# Altium PCB XC Driver Board.PcbDoc (part 1 of 2)
Units mm, origin at the board's own origin, x right, y up, seen from the top; angles counter-clockwise.
Board outline 294 x 74 mm, 2 copper layers (Top Layer, Bottom Layer), stack 1.571 mm thick; 103 components, 217 nets, 715 pads, 84 vias.
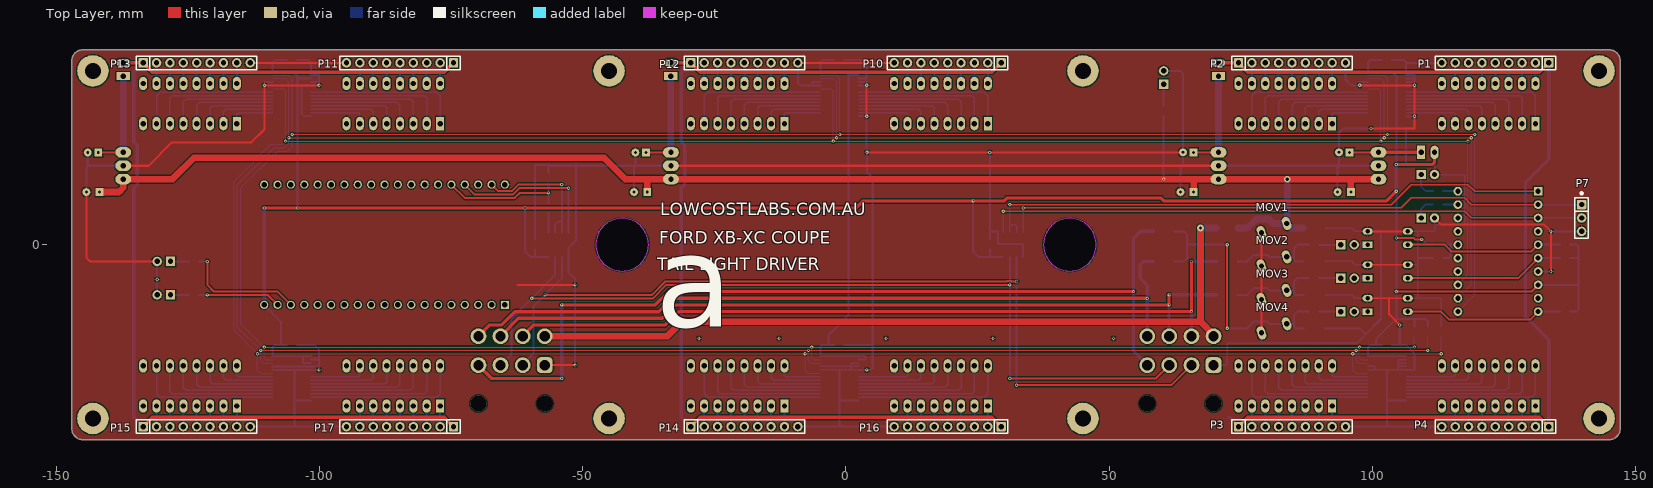
[diagram p0: Top Layer view]
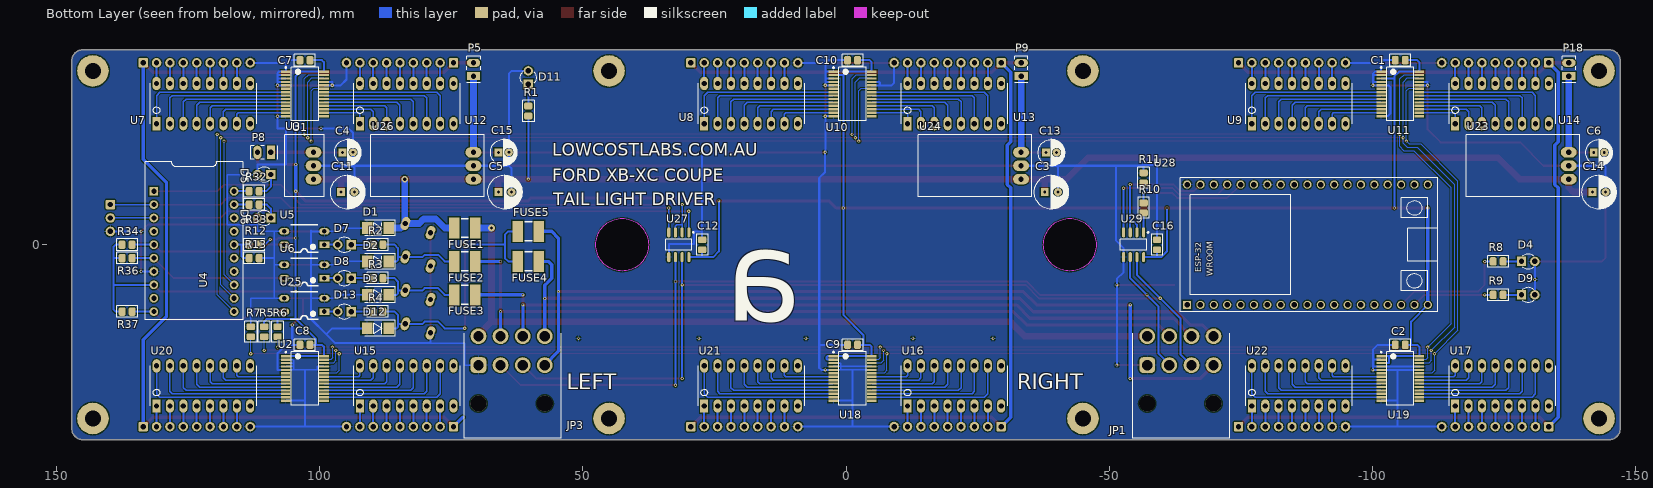
[diagram p1: Bottom Layer view, seen from below]
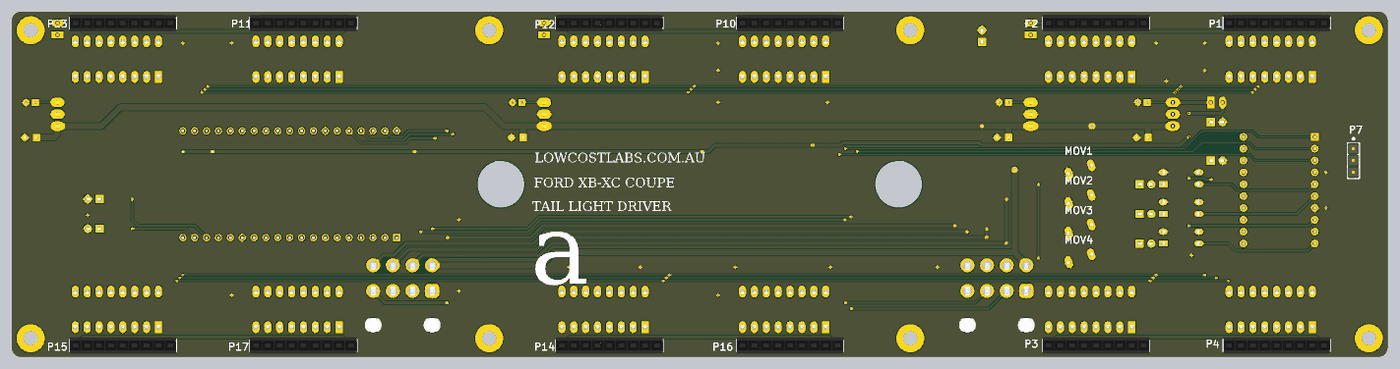
[diagram p3: 3D render of the assembled board from above, using the file's embedded part models]
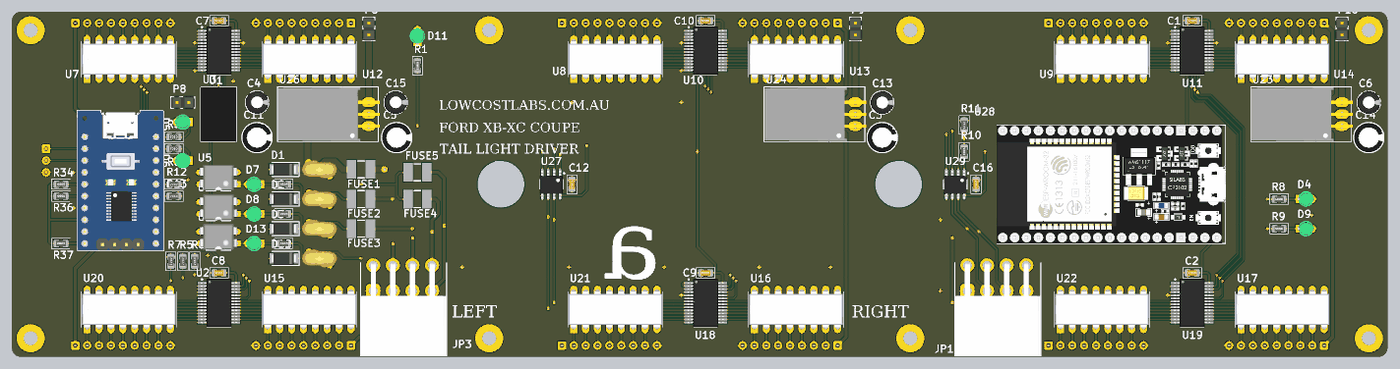
[diagram p4: 3D render of the assembled board from below, using the file's embedded part models]

## Layer stack, top to bottom
Top Solder: solder mask 0.0102, Solder Resist, Dk 3.5
Top Layer: signal copper 0.0356
Dielectric 1: dielectric 1.5, FR-4, Dk 4.8
Bottom Layer: signal copper 0.0356
Bottom Solder: solder mask 0.0102, Solder Resist, Dk 3.5

## Board outline
-147,-35 -147,35 cw(c-145,35) -145,37 145,37 cw(c145,35) 147,35 147,-35 cw(c145,-35) 145,-37 -145,-37 cw(c-145,-35)
cut-out: -47.5,0 ccw(c-42.5,0) -42.5,-5 ccw(c-42.5,0) -37.5,0 ccw(c-42.5,0) -42.5,5 ccw(c-42.5,0)
cut-out: 37.5,0 ccw(c42.5,0) 42.5,-5 ccw(c42.5,0) 47.5,0 ccw(c42.5,0) 42.5,5 ccw(c42.5,0)

## Design rules (kind name [scope] priority, off if disabled: settings)
Clearance [All] p1: gap=0.203
PolygonConnect [All] p1: connectstyle=Relief reliefconductorwidth=0.254 reliefentries=4 polygonreliefangle="90 Angle" airgapwidth=0.254
RoutingVias [All] p1: holewidth=0.711 width=1.27 viastyle="Through Hole" minholewidth=0.305 minwidth=0.61 maxholewidth=0.711 maxwidth=1.27
SolderMaskExpansion [All] p1: expansion=0.102
Width [All] p1: maxlimit=2.54 minlimit=0.203 preferedwidth=0.254
30 further rules are at their usual default settings.

## Classes and differential pairs
component class ESP32: C16 D4 D9 R8 R9 R10 R11 U28 U29
component class "XC Tail Light Driver": C12 D5 D6 P7 R5 R6 R7 R12 R13 R32 R33 U4 U27
component class "PWM Drivers": C1 C2 C7 C8 C9 C10 P1 P2 P3 P4 P10 P11 P12 P13 P14 P15 P16 P17 U1 U2 U7 U8 U9 U10 U11 U12 U13 U14 U15 U16 U17 U18 U19 U20 U21 U22
component class Signals: D1 D2 D3 D7 D8 D11 D12 D13 D? FUSE1 FUSE2 FUSE3 FUSE4 FUSE5 FUSE? JP1 JP3 MOV1 MOV2 MOV3 MOV4 P? Q? R1 R2 R3 R4 R34 R36 R37 U5 U6 U25
component class "Power Supplies": C3 C4 C5 C6 C11 C13 C14 C15 P5 P8 P9 P18 U3 U23 U24 U26

## Components (designator, comment, footprint, x,y, rotation, side; value= is the part's Value field where it differs from the comment)
C1 "100nF" "CAPACITOR 0805" -105.25,35.038 r0 bottom
C2 "100nF" "CAPACITOR 0805" -105.25,-19 r0 bottom
C3 "10uF" "CAPACITOR 6.3x7" -39,10 r180 bottom
C4 "22uF" "CAPACITOR 5x11" 94.615,17.54 r180 bottom
C5 "10uF" "CAPACITOR 6.3x7" 64.77,10 r180 bottom
C6 "22uF" "CAPACITOR 5x11" -143,17.5 r180 bottom
C7 "100nF" "CAPACITOR 0805" 102.75,35.038 r0 bottom
C8 "100nF" "CAPACITOR 0805" 102.75,-19 r0 bottom
C9 "100nF" "CAPACITOR 0805" -1.25,-19 r0 bottom
C10 "100nF" "CAPACITOR 0805" -1.25,35.038 r0 bottom
C11 "10uF" "CAPACITOR 6.3x7" 94.615,10 r180 bottom
C12 "100nF" "CAPACITOR 0805" 27.305,0 r90 bottom
C13 "22uF" "CAPACITOR 5x11" -39,17.5 r180 bottom
C14 "10uF" "CAPACITOR 6.3x7" -143,10 r180 bottom
C15 "22uF" "CAPACITOR 5x11" 65,17.54 r180 bottom
C16 "100nF" "CAPACITOR 0805" -59.055,0 r90 bottom
D1 "S1M" DO-214AC 88.9,3.175 r180 bottom
D2 "S1M" DO-214AC 88.9,-3.175 r180 bottom
D3 "S1M" DO-214AC 88.9,-9.525 r180 bottom
D4 "LED (BLUE)" "LED(3D) 3MM VERTICAL (GREEN)" -129.54,-3.175 r0 bottom
D5 "LED (BLUE)" "LED(3D) 3MM VERTICAL (GREEN)" 110.49,13.335 r180 bottom
D6 "LED (BLUE)" "LED(3D) 3MM VERTICAL (GREEN)" 110.49,5.08 r180 bottom
D7 "LED (RED)" "LED(3D) 3MM VERTICAL (GREEN)" 95.25,0 r180 bottom
D8 "LED (BLUE)" "LED(3D) 3MM VERTICAL (GREEN)" 95.25,-6.35 r180 bottom
D9 "LED (BLUE)" "LED(3D) 3MM VERTICAL (GREEN)" -129.54,-9.525 r0 bottom
D11 "LED (BLUE)" "LED(3D) 3MM VERTICAL (GREEN)" 60.325,31.75 r270 bottom
D12 "S1M" DO-214AC 88.9,-15.875 r180 bottom
D13 "LED (BLUE)" "LED(3D) 3MM VERTICAL (GREEN)" 95.25,-12.7 r180 bottom
FUSE1 "3A" "miniSMD Polyswitch" 72.39,3.175 r0 bottom
FUSE2 "1A" "miniSMD Polyswitch" 72.39,-3.175 r0 bottom
FUSE3 "1A" "miniSMD Polyswitch" 72.39,-9.525 r0 bottom
FUSE4 "1A" "miniSMD Polyswitch" 60.325,-3.175 r0 bottom
FUSE5 "1A" "miniSMD Polyswitch" 60.325,2.54 r0 bottom
JP1 "PLUG-RIGHT" "Molex 26013144 RA 8P Socket" -63.5,-22.86 r0 bottom
JP3 "PLUG-LEFT" "Molex 26013144 RA 8P Socket" 63.5,-22.86 r0 bottom
MOV1 "FTR FTR07D270K 22V" "MOV - 10mm" 81.28,3.175 r200 top
MOV2 "FTR FTR07D270K 22V" "MOV - 10mm" 81.28,-3.175 r200 top
MOV3 "FTR FTR07D270K 22V" "MOV - 10mm" 81.28,-9.525 r200 top
MOV4 "FTR FTR07D270K 22V" "MOV - 10mm" 81.28,-15.875 r200 top
P1 "Header 9" "SOCKET 1x9" 123.304,34.544 r180 top
P2 "Header 9" "SOCKET 1x9" 84.696,34.544 r0 top
P3 "Header 9" "SOCKET 1x9" 84.696,-34.544 r0 top
P4 "Header 9" "SOCKET 1x9" 123.304,-34.544 r180 top
P5 "POWER" "HEADER 1x2" 70.726,33.274 r90 bottom
P7 "DEBUG" "Pin Header 1x3 TH Pitch 2.54mm" 139.7,7.62 r270 top
P8 "POWER" "HEADER 1x2" 110.49,17.54 r0 bottom
P9 "POWER" "HEADER 1x2" -33.274,33.274 r90 bottom
P10 "Header 9" "SOCKET 1x9" 19.304,34.544 r180 top
P11 "Header 9" "SOCKET 1x9" -84.696,34.544 r180 top
P12 "Header 9" "SOCKET 1x9" -19.304,34.544 r0 top
P13 "Header 9" "SOCKET 1x9" -123.304,34.544 r0 top
P14 "Header 9" "SOCKET 1x9" -19.304,-34.544 r0 top
P15 "Header 9" "SOCKET 1x9" -123.304,-34.544 r0 top
P16 "Header 9" "SOCKET 1x9" 19.304,-34.544 r180 top
P17 "Header 9" "SOCKET 1x9" -84.696,-34.544 r180 top
P18 "POWER" "HEADER 1x2" -137.274,33.274 r90 bottom
R1 "1k" "RESISTOR 0805" 60.325,25.4 r270 bottom
R2 "1k" "RESISTOR 0805" 88.9,0 r180 bottom
R3 "1k" "RESISTOR 0805" 88.9,-6.35 r180 bottom
R4 "1k" "RESISTOR 0805" 88.9,-12.7 r180 bottom
R5 "10k" "RESISTOR 0805" 110.49,-16.51 r270 bottom
R6 "10k" "RESISTOR 0805" 107.95,-16.51 r270 bottom
R7 "10k" "RESISTOR 0805" 113.03,-16.51 r270 bottom
R8 "1k" "RESISTOR 0805" -123.825,-3.175 r0 bottom
R9 "1k" "RESISTOR 0805" -123.825,-9.525 r0 bottom
R10 "2k2" "RESISTOR 0805" -56.515,6.985 r90 bottom
R11 "3k3" "RESISTOR 0805" -56.515,12.7 r270 bottom
R12 "1k" "RESISTOR 0805" 112.395,0 r0 bottom
R13 "1k" "RESISTOR 0805" 112.395,-2.54 r0 bottom
R32 "1k" "RESISTOR 0805" 112.395,10.16 r0 bottom
R33 "1k" "RESISTOR 0805" 112.395,7.62 r0 bottom
R34 "1k" "RESISTOR 0805" 136.525,0 r180 bottom
R36 "1k" "RESISTOR 0805" 136.525,-2.54 r180 bottom
R37 "1k" "RESISTOR 0805" 136.525,-12.7 r180 bottom
U1 "PCA9685PW,118" SSOP28 102.75,28.644 r270 bottom
U2 "PCA9685PW,118" SSOP28 102.75,-25.394 r270 bottom
U3 "K7805M-1000R3" K78XXM-1000R3 102.87,15 r90 bottom
U4 "STM8 Breakout" "STM8 Breakout" 123.825,0 r270 bottom
U5 "OPTO FL817" DIP_4 102.87,1.27 r0 bottom
U6 "OPTO FL817" DIP_4 102.87,-5.08 r0 bottom
U7 "1k x 8" "DIP 16" 120.764,23 r180 bottom
U8 "1k x 8" "DIP 16" 16.764,23 r180 bottom
U9 "1k x 8" "DIP 16" -87.236,23 r180 bottom
U10 "PCA9685PW,118" SSOP28 -1.25,28.644 r270 bottom
U11 "PCA9685PW,118" SSOP28 -105.25,28.644 r270 bottom
U12 "1k x 8" "DIP 16" 82.156,23 r180 bottom
U13 "1k x 8" "DIP 16" -21.844,23 r180 bottom
U14 "1k x 8" "DIP 16" -125.844,23 r180 bottom
U15 "1k x 8" "DIP 16" 82.156,-30.62 r180 bottom
U16 "1k x 8" "DIP 16" -21.844,-30.62 r180 bottom
U17 "1k x 8" "DIP 16" -125.844,-30.62 r180 bottom
U18 "PCA9685PW,118" SSOP28 -1.25,-25.394 r270 bottom
U19 "PCA9685PW,118" SSOP28 -105.25,-25.394 r270 bottom
U20 "1k x 8" "DIP 16" 120.764,-30.62 r180 bottom
U21 "1k x 8" "DIP 16" 16.764,-30.62 r180 bottom
U22 "1k x 8" "DIP 16" -87.236,-30.62 r180 bottom
U23 "K7805M-1000R3" K78XXM-1000R3L -135.5,15 r90 bottom
U24 "K7805M-1000R3" K78XXM-1000R3L -31.5,15 r90 bottom
U25 "OPTO FL817" DIP_4 102.87,-11.43 r0 bottom
U26 "K7805M-1000R3" K78XXM-1000R3L 72.5,15 r90 bottom
U27 "MAX485" SO-8 31.75,0 r270 bottom
U28 "ESP32-WROOM-32" ESP-WROOM-32 -87.63,0 r90 bottom
U29 "MAX485" SO-8 -54.61,0 r270 bottom

## Footprints (in the part's own frame and the unit in brackets; to place one, negate y for a bottom-side part, rotate by r counter-clockwise, add the part's x,y. Pads: shape width x height; smd on the part's side, far side on the other; paste and mask are expansions set on the pad)
"CAPACITOR 5x11" [mm] "CAPACITOR ALUMINIUM ELECTROLYTIC D=5MM H=11"
  rect 1.5x1.5 hole 0.55: 1(-1,0)
  round 1.5 hole 0.55: 2(0.99,0.015)
  silkscreen extent -2.5,-2.63 2.6,2.63, body extent -2.5,-2.5 2.53,2.53, height 8.3
"CAPACITOR 6.3x7" [mm] "CAPACITOR ALUMINIUM ELECTROLYTIC D=6.3MM H=7MM"
  rect 1.5x1.5 hole 0.55: 1(-1.25,0)
  round 1.5 hole 0.55: 2(1.25,0)
  silkscreen extent -3.25,-3.25 3.25,3.25, body extent -3.15,-3.15 3.15,3.15, height 7
"CAPACITOR 0805" [mm]
  rrect50% 1.3x1.6 smd: 1(-0.95,0) 2(0.95,0)
  silkscreen extent -2,-1.1 2,1.1, body extent -1.25,-0.62 1.25,0.62, height 0.8
"DIP 16" [mil]
  rect 60x100 hole 40: 1(-400,0)
  oval 60x100 hole 40: 2(-300,0) 3(-200,0) 4(-100,0) 5(0,0) 6(100,0) 7(200,0) 8(300,0) 9(300,300) 10(200,300) 11(100,300) 12(0,300) 13(-100,300) 14(-200,300) 15(-300,300) 16(-400,300)
  silkscreen extent -450,0 350,300, body extent -443,-5 343,305, height 185
DIP_4 [mm]
  rect 1.905x1.27 hole 0.9: 1(-3.81,1.27)
  oval 1.905x1.27 hole 0.9: 2(-3.81,-1.27) 3(3.81,-1.27) 4(3.81,1.27)
  silkscreen extent -2.65,-2.54 2.65,2.68, body extent -4,-2.92 4,2.62, height 4.31
DO-214AC [mm]
  rect 2x2.2 smd: 1(-2.057,0) 2(2.057,0)
  silkscreen extent -2.5,-1.5 3.3,1.5, body extent -2.65,-1.4 2.65,1.4, height 2.3
ESP-WROOM-32 [mm] "ESP-WROOM-32 38 PIN Develeopment Board PINOUT"
  rect 1.56x1.56 hole 1.04: 1(-11.43,22.86)
  round 1.56 hole 1.04: 2(-11.43,20.32) 3(-11.43,17.78) 4(-11.43,15.24) 5(-11.43,12.7) 6(-11.43,10.16) 7(-11.43,7.62) 8(-11.43,5.08) 9(-11.43,2.54) 10(-11.43,0) 11(-11.43,-2.54) 12(-11.43,-5.08) 13(-11.43,-7.62) 14(-11.43,-10.16) 15(-11.43,-12.7) 16(-11.43,-15.24) 17(-11.43,-17.78) 18(-11.43,-20.32) 19(-11.43,-22.86) 20(11.43,-22.86) 21(11.43,-20.32) 22(11.43,-17.78) 23(11.43,-15.24) 24(11.43,-12.7) 25(11.43,-10.16) 26(11.43,-7.62) 27(11.43,-5.08) 28(11.43,-2.54) 29(11.43,0) 30(11.43,2.54) 31(11.43,5.08) 32(11.43,7.62) 33(11.43,10.16) 34(11.43,12.7) 35(11.43,15.24) 36(11.43,17.78) 37(11.43,20.32) 38(11.43,22.86)
  silkscreen extent -12.7,-24.77 12.7,24.13, body extent -12.68,-24.85 12.72,24.2, height 6.81
"HEADER 1x2" [mil]
  rect 60x100 hole 40: 1(-50,0)
  oval 60x100 hole 40: 2(50,0)
  silkscreen extent -100,-50 100,50, body extent -100,-50 100,50, height 374
K78XXM-1000R3 [mm]
  oval 2x3 hole 1: 1(-2.54,-1.75) 2(0,-1.75) 3(2.54,-1.75)
  silkscreen extent -5.85,-3.81 5.85,3.75, body extent -5.85,-3.8 5.85,3.75, height 10.11
K78XXM-1000R3L [mm]
  oval 2x3 hole 1: 1(-2.54,-1.75) 2(0,-1.75) 3(2.54,-1.75)
  silkscreen extent -5.85,-3.81 5.85,17.75, body extent -5.75,-4.1 5.75,17.58, height 9.05
"LED(3D) 3MM VERTICAL (GREEN)" [mil]
  rect 70x70 hole 40: 1(50.06,-0.28)
  round 70 hole 40: 2(-49.94,-0.28)
  silkscreen extent -42,-59 42,59, body extent -65,-65 61,64, height 196
"miniSMD Polyswitch" [mm] "RAYCHEM - MINISMDC050F-2"
  rect 2x4 smd: 1(-2,0) 2(2,0)
  silkscreen extent -0.7,-1.8 0.7,1.8, body extent -2.4,-1.7 2.4,1.7, height 0.62
"Molex 26013144 RA 8P Socket" [mm] "Molex 26013144 RA 8P Socket"
  rrect50% 3x3 hole 1.95: 1(6.3,0)
  round 3 hole 1.95: 2(2.1,0) 3(-2.1,0) 4(-6.3,0) 5(6.3,-5.5) 6(2.1,-5.5) 7(-2.1,-5.5) 8(-6.3,-5.5)
  round 3 hole 3.1 unplated: MOUNT(-6.3,7.3) MOUNT(6.3,7.3)
  silkscreen extent -9.4,-6.03 9,13.9, body extent -9.4,-6.03 9,13.9, height 11.41
"MOV - 10mm" [mil]
  oval 60x100 hole 40: 1(-100,0) 2(100,0)
  body extent -164,-122 164,122, height 426
"Pin Header 1x3 TH Pitch 2.54mm" [mm] "PinHeader 1x3 TH Pitch 2.54mm"
  rrect25% 1.8x1.8 hole 1: 1(0,0)
  round 1.8 hole 1: 2(2.54,0) 3(5.08,0)
  silkscreen extent -2.3,-1.27 6.35,1.27, body extent -1.27,-1.27 6.35,1.27, height 9.5
"RESISTOR 0805" [mm]
  rrect50% 1.3x1.6 smd: 1(-0.95,0) 2(0.95,0)
  silkscreen extent -2,-1.1 2,1.1, body extent -1.25,-0.62 1.25,0.62, height 0.8
SO-8 [mm] "SOIC, 8-Leads, Body 4.9x3.9mm, Pitch 1.27mm, IPC High Density"
  oval 1.9x0.6 smd: 1(-2.35,1.905) 2(-2.35,0.635) 3(-2.35,-0.635) 4(-2.35,-1.905) 5(2.35,-1.905) 6(2.35,-0.635) 7(2.35,0.635) 8(2.35,1.905)
  silkscreen extent -2.47,-2.5 1,2.88, body extent -2.9,-2.45 3.1,2.45, height 1.75
"SOCKET 1x9" [mm]
  rrect25% 1.8x1.8 hole 1: 1(-10.16,0)
  round 1.8 hole 1: 2(-7.62,0) 3(-5.08,0) 4(-2.54,0) 5(0,0) 6(2.54,0) 7(5.08,0) 8(7.62,0) 9(10.16,0)
  silkscreen extent -11.43,-1.27 11.43,1.27, body extent -11.43,-1.78 11.43,1.78, height 6.74
SSOP28 [mil]
  rect 17x72 smd: 1(-166.34,-142.72) 2(-140.75,-142.72) 3(-115.16,-142.72) 4(-89.57,-142.72) 5(-63.98,-142.72) 6(-38.39,-142.72) 7(-12.8,-142.72) 8(12.8,-142.72) 9(38.38,-142.72) 10(63.97,-142.72) 11(89.56,-142.72) 12(115.15,-142.72) 13(140.74,-142.72) 14(166.33,-142.72) 15(166.33,142.72) 16(140.74,142.72) 17(115.15,142.72) 18(89.56,142.72) 19(63.97,142.72) 20(38.38,142.72) 21(12.8,142.72) 22(-12.8,142.72) 23(-38.39,142.72) 24(-63.98,142.72) 25(-89.57,142.72) 26(-115.16,142.72) 27(-140.75,142.72) 28(-166.34,142.72)
  silkscreen extent -205,-148 201,102, body extent -203,-153 203,153, height 85
"STM8 Breakout" [mil] "STM8S103F3P6 Dev board"
  rect 65x65 hole 38: 1(-400,-300)
  round 65 hole 38: 2(-300,-300) 3(-200,-300) 4(-100,-300) 5(0,-300) 6(100,-300) 7(200,-300) 8(300,-300) 9(400,-300) 10(500,-300) 11(500,300) 12(400,300) 13(300,300) 14(200,300) 15(100,300) 16(0,300) 17(-100,300) 18(-200,300) 19(-300,300) 20(-400,300)
  silkscreen extent -622,-364 559,364, body extent -622,-364 559,364, height 497

## Part data
C1 C2 C7 C8 C9 C10 C12 C16: library part CAP, "CAPACITOR SMD 0603"
C3 C4 C5 C6 C11 C13 C14 C15: library part "Aluminum 10Dx16Hx5P", "Polarized Capacitor (Radial)"
D1 D2 D3 D12: library part DIODE, "DIODE, POWER"
D4 D5 D6 D7 D8 D9 D11 D13: library part "LED 3mm RED", "3mm RED LED"
FUSE1 FUSE2 FUSE3 FUSE4 FUSE5: library part "POLYSWITCH 500mA", "POLYSWITCH 1A"
JP1 JP3: library part "Header 8", "HEADER, 8 WAY"
MOV1 MOV2 MOV3 MOV4: library part VARISTOR
P1 P2 P3 P4 P10 P11 P12 P13 P14 P15 P16 P17: "Header, 9-Pin"
P5 P8 P9 P18: library part "Header 2", "Header, 2-Pin"
P7: library part "Header 3", "Header, 3 Pin"
R1 R2 R3 R4 R5 R6 R7 R8 R9 R10 R11 R12 R13 R32 R33 R34 R36 R37: library part Res2, "Resistor"
U1 U2 U10 U11 U18 U19: "LED Driver IC 16 Output Linear PWM Dimming 25mA 28-TSSOP"
U3: library part "TRACO 1-2450", "RS_PRO K7805M-1000R3"
U5 U6 U25: library part FL817, "4-Pin Phototransistor Optocoupler"
U7 U8 U9 U12 U13 U14 U15 U16 U17 U20 U21 U22: library part ResistorArray, "DIP 16 Resistor Array 8 x 1k"
U23 U24 U26: library part "TRACO 1-2450", "RS_PRO K7805-2000R3L"
U27 U29: library part MAX487CPA, "MAX485 485/422 Transceiver"
U28: library part "ESP-WROOM-32 38 PIN Develeopment Board PINOUT", "ESP-WROOM-32 38 PIN Develeopment Board PINOUT"

## Free pads (board coordinates)
  round 6 hole 3: MOUNT(-143,-33) MOUNT(-143,33) MOUNT(-45,-33) MOUNT(-45,33) MOUNT(45,-33) MOUNT(45,33) MOUNT(143,-33) MOUNT(143,33)

## Via types
v1: diameter 0.61, hole 0.305, Top Layer to Bottom Layer, 82 vias
v2: diameter 1.27, hole 0.635, Top Layer to Bottom Layer, 2 vias

## Nets (pads, with @x,y where several pads share a name; then routed paths per layer and width w, separated by ;. In a path a pad name is that pad's centre, name@x,y a point inside that pad or via, vN(x,y) a via of type N, cw(c..) or ccw(c..) an arc to the next point about the centre after c; other vN are vias at no path point)
5V_A: P11.1 P13.1 P15.1 P17.1 P18.2 | length 195.8
  Top Layer w0.635: P18.2@-137.274,34.544 P13.1@-133.464,34.544 -133.477,34.531 -131.712,32.766 -76.314,32.766 P11.1@-74.536,34.544 ; P15.1@-133.464,-34.544 -133.477,-34.531 -131.712,-32.766 -76.314,-32.766 P17.1@-74.536,-34.544
  Bottom Layer w0.635: P15.1@-133.464,-34.544 -135.255,-32.753 -135.255,10.795 -134.62,11.43 -134.62,18.923 -135.255,19.558 -135.255,32.753 P13.1@-133.464,34.544
5V_B: P9.2 P10.1 P12.1 P14.1 P16.1 | length 195.8
  Top Layer w0.635: P9.2@-33.274,34.544 P12.1@-29.464,34.544 -29.477,34.531 -27.712,32.766 27.686,32.766 P10.1@29.464,34.544 ; P14.1@-29.464,-34.544 -29.477,-34.531 -27.712,-32.766 27.686,-32.766 P16.1@29.464,-34.544
  Bottom Layer w0.635: P14.1@-29.464,-34.544 -31.255,-32.753 -31.255,10.795 -30.62,11.43 -30.62,18.923 -31.255,19.558 -31.255,32.753 P12.1@-29.464,34.544
5V_C: P1.1 P2.1 P3.1 P4.1 P5.2 | length 200
  Top Layer w0.635: P5.2@70.726,34.544 P2.1@74.536,34.544 74.523,34.531 76.288,32.766 131.686,32.766 P1.1@133.464,34.544 ; P3.1@74.536,-34.544 74.523,-34.531 76.288,-32.766 131.686,-32.766 P4.1@133.464,-34.544
  Bottom Layer w0.635: 72.745,-32.753 P3.1@74.536,-34.544 ; P4.1@133.464,-34.544 133.464,-18.021 129.032,-13.589 129.032,11.811 133.464,16.243 P1.1@133.464,34.544
485_EN: U4.1 U27.2 U27.3 | length 110.3
  Top Layer w0.254: v1(31.115,7.62) 103.505,7.62 107.315,11.43 118.11,11.43 119.38,10.16 U4.1@131.445,10.16
  Bottom Layer w0.254: U27.2@31.115,2.35 31.115,3.81 ; v1(31.115,7.62) 31.115,3.81 ; U27.3@32.385,2.35 32.385,3.556 32.131,3.81 31.115,3.81
B+: D7.1 R2.1 | length 4.1
  Bottom Layer w0.381: R2.1@89.857,-0.007 D7.1@93.978,-0.007
BRAKE: R34.2 U4.5 U5.4 | length 29.9
  Top Layer w0.381: U5.4@106.68,0 113.665,0 114.935,-1.27 130.175,-1.27 U4.5@131.445,0
  Bottom Layer w0.381: U4.5@131.445,0 R34.2@135.575,0
BRAKE-IN: FUSE2.1 JP1.6 JP3.6 | length 147.9
  Top Layer w0.635: JP1.6@-61.4,-17.36 -59.28,-15.24 -34.298,-15.24 -31.75,-12.692 v1(65.6,-12.692) v1(65.6,-3.175)
  Bottom Layer w0.635: JP3.6@65.6,-17.36 v1(65.6,-12.692) ; v1(65.6,-3.175) FUSE2.1@70.39,-3.175
DATA+: JP1.2 JP3.2 U27.6 U29.6 | length 173.6
  Top Layer w0.381: v1(-57.15,-9.525) -36.83,-9.525 -34.29,-6.985 30.48,-6.985 30.543,-6.921 31.404,-6.921 31.468,-6.985 v1(32.385,-6.985) ; v1(32.385,-26.67) 61.79,-26.67 JP3.2@65.6,-22.86
  Bottom Layer w0.381: JP1.2@-61.4,-22.86 -61.595,-22.86 -59.309,-20.574 -59.309,-11.684 v1(-57.15,-9.525) -53.975,-6.35 U29.6@-53.975,-2.35 ; v1(32.385,-26.67) v1(32.385,-6.985) U27.6@32.385,-2.35
DATA-: JP1.3 JP3.3 U27.7 U29.7 | length 171.1
  Top Layer w0.381: v1(-59.69,-10.16) -59.626,-10.223 -36.702,-10.223 -34.099,-7.62 v1(31.115,-7.62) ; v1(31.115,-25.4) 58.86,-25.4 JP3.3@61.4,-22.86
  Bottom Layer w0.381: JP1.3@-65.6,-22.86 -63.5,-20.76 -63.5,-13.97 v1(-59.69,-10.16) -55.245,-5.715 U29.7@-55.245,-2.35 ; v1(31.115,-25.4) v1(31.115,-7.62) U27.7@31.115,-2.35
DRIVE_0: U1.7 U7.1 | length 30.1
  Bottom Layer w0.254: U1.7@106.375,28.969 130.281,28.969 130.924,28.326 U7.1@130.924,23
DRIVE_1: U1.8 U7.2 | length 27.1
  Bottom Layer w0.254: U1.8@106.375,28.319 127.931,28.319 128.384,27.866 U7.2@128.384,23
DRIVE_2: U1.9 U7.3 | length 23.8
  Bottom Layer w0.254: U1.9@106.375,27.669 125.331,27.669 125.844,27.156 U7.3@125.844,23
DRIVE_3: U1.10 U7.4 | length 20.6
  Bottom Layer w0.254: U1.10@106.375,27.019 122.731,27.019 123.304,26.446 U7.4@123.304,23
DRIVE_4: U1.11 U7.5 | length 17.5
  Bottom Layer w0.254: U1.11@106.375,26.369 120.381,26.369 120.764,25.986 U7.5@120.764,23
DRIVE_5: U1.12 U7.6 | length 14.3
  Bottom Layer w0.254: U1.12@106.375,25.719 117.781,25.719 118.224,25.276 U7.6@118.224,23
DRIVE_6: U1.13 U7.7 | length 11.2
  Bottom Layer w0.254: U1.13@106.375,25.069 115.431,25.069 115.684,24.816 U7.7@115.684,23
DRIVE_7: U1.16 U12.1 | length 8.7
  Bottom Layer w0.254: U12.1@92.316,23 92.316,24.816 92.569,25.069 U1.16@99.125,25.069
DRIVE_8: U1.17 U12.2 | length 11.8
  Bottom Layer w0.254: U12.2@89.776,23 89.776,25.276 90.219,25.719 U1.17@99.125,25.719
DRIVE_9: U1.18 U12.3 | length 15
  Bottom Layer w0.254: U12.3@87.236,23 87.236,25.986 87.619,26.369 U1.18@99.125,26.369
DRIVE_10: U1.19 U12.4 | length 18.1
  Bottom Layer w0.254: U12.4@84.696,23 84.696,26.446 85.269,27.019 U1.19@99.125,27.019
DRIVE_11: U1.20 U12.5 | length 21.3
  Bottom Layer w0.254: U12.5@82.156,23 82.156,27.156 82.669,27.669 U1.20@99.125,27.669
DRIVE_12: U1.21 U12.6 | length 24.6
  Bottom Layer w0.254: U12.6@79.616,23 79.616,27.866 80.069,28.319 U1.21@99.125,28.319
DRIVE_13: U1.22 U12.7 | length 27.6
  Bottom Layer w0.254: U12.7@77.076,23 77.076,28.326 77.719,28.969 U1.22@99.125,28.969
DRIVE_14: U2.7 U20.10 | length 11.2
  Bottom Layer w0.254: U2.7@106.375,-25.069 115.431,-25.069 115.684,-24.816 U20.10@115.684,-23
DRIVE_15: U2.8 U20.11 | length 14.3
  Bottom Layer w0.254: U2.8@106.375,-25.719 117.781,-25.719 118.224,-25.276 U20.11@118.224,-23
DRIVE_16: U2.9 U20.12 | length 17.5
  Bottom Layer w0.254: U2.9@106.375,-26.369 120.381,-26.369 120.764,-25.986 U20.12@120.764,-23
DRIVE_17: U2.10 U20.13 | length 20.6
  Bottom Layer w0.254: U2.10@106.375,-27.019 122.731,-27.019 123.304,-26.446 U20.13@123.304,-23
DRIVE_18: U2.11 U20.14 | length 23.8
  Bottom Layer w0.254: U2.11@106.375,-27.669 125.331,-27.669 125.844,-27.156 U20.14@125.844,-23
DRIVE_19: U2.12 U20.15 | length 27.1
  Bottom Layer w0.254: U2.12@106.375,-28.319 127.931,-28.319 128.384,-27.866 U20.15@128.384,-23
DRIVE_20: U2.13 U20.16 | length 30.1
  Bottom Layer w0.254: U2.13@106.375,-28.969 130.281,-28.969 130.924,-28.326 U20.16@130.924,-23
DRIVE_21: U2.16 U15.10 | length 27.6
  Bottom Layer w0.254: U15.10@77.076,-23 77.076,-28.326 77.719,-28.969 U2.16@99.125,-28.969
DRIVE_22: U2.17 U15.11 | length 24.6
  Bottom Layer w0.254: U15.11@79.616,-23 79.616,-27.866 80.069,-28.319 U2.17@99.125,-28.319
DRIVE_23: U2.18 U15.12 | length 21.3
  Bottom Layer w0.254: U15.12@82.156,-23 82.156,-27.156 82.669,-27.669 U2.18@99.125,-27.669
DRIVE_24: U2.19 U15.13 | length 18.1
  Bottom Layer w0.254: U15.13@84.696,-23 84.696,-26.446 85.269,-27.019 U2.19@99.125,-27.019
DRIVE_25: U2.20 U15.14 | length 15
  Bottom Layer w0.254: U15.14@87.236,-23 87.236,-25.986 87.619,-26.369 U2.20@99.125,-26.369
DRIVE_26: U2.21 U15.15 | length 11.8
  Bottom Layer w0.254: U15.15@89.776,-23 89.776,-25.276 90.219,-25.719 U2.21@99.125,-25.719
DRIVE_27: U2.22 U15.16 | length 8.7
  Bottom Layer w0.254: U15.16@92.316,-23 92.316,-24.816 92.569,-25.069 U2.22@99.125,-25.069
DRIVE_28: U8.1 U10.7 | length 30.1
  Bottom Layer w0.254: U10.7@2.375,28.969 26.281,28.969 26.924,28.326 U8.1@26.924,23
DRIVE_29: U8.2 U10.8 | length 27.1
  Bottom Layer w0.254: U10.8@2.375,28.319 23.931,28.319 24.384,27.866 U8.2@24.384,23
DRIVE_30: U8.3 U10.9 | length 23.8
  Bottom Layer w0.254: U10.9@2.375,27.669 21.331,27.669 21.844,27.156 U8.3@21.844,23
DRIVE_31: U8.4 U10.10 | length 20.6
  Bottom Layer w0.254: U10.10@2.375,27.019 18.731,27.019 19.304,26.446 U8.4@19.304,23
DRIVE_32: U8.5 U10.11 | length 17.5
  Bottom Layer w0.254: U10.11@2.375,26.369 16.381,26.369 16.764,25.986 U8.5@16.764,23
DRIVE_33: U8.6 U10.12 | length 14.3
  Bottom Layer w0.254: U10.12@2.375,25.719 13.781,25.719 14.224,25.276 U8.6@14.224,23
DRIVE_34: U8.7 U10.13 | length 11.2
  Bottom Layer w0.254: U10.13@2.375,25.069 11.431,25.069 11.684,24.816 U8.7@11.684,23
DRIVE_35: U10.16 U13.1 | length 8.7
  Bottom Layer w0.254: U13.1@-11.684,23 -11.684,24.816 -11.431,25.069 U10.16@-4.875,25.069
DRIVE_36: U10.17 U13.2 | length 11.8
  Bottom Layer w0.254: U13.2@-14.224,23 -14.224,25.276 -13.781,25.719 U10.17@-4.875,25.719
DRIVE_37: U10.18 U13.3 | length 15
  Bottom Layer w0.254: U13.3@-16.764,23 -16.764,25.986 -16.381,26.369 U10.18@-4.875,26.369
DRIVE_38: U10.19 U13.4 | length 18.1
  Bottom Layer w0.254: U13.4@-19.304,23 -19.304,26.446 -18.731,27.019 U10.19@-4.875,27.019
DRIVE_39: U10.20 U13.5 | length 21.3
  Bottom Layer w0.254: U13.5@-21.844,23 -21.844,27.156 -21.331,27.669 U10.20@-4.875,27.669
DRIVE_40: U10.21 U13.6 | length 24.6
  Bottom Layer w0.254: U13.6@-24.384,23 -24.384,27.866 -23.931,28.319 U10.21@-4.875,28.319
DRIVE_41: U10.22 U13.7 | length 27.6
  Bottom Layer w0.254: U13.7@-26.924,23 -26.924,28.326 -26.281,28.969 U10.22@-4.875,28.969
DRIVE_42: U18.7 U21.10 | length 11.2
  Bottom Layer w0.254: U18.7@2.375,-25.069 11.431,-25.069 11.684,-24.816 U21.10@11.684,-23
DRIVE_43: U18.8 U21.11 | length 14.3
  Bottom Layer w0.254: U18.8@2.375,-25.719 13.781,-25.719 14.224,-25.276 U21.11@14.224,-23
DRIVE_44: U18.9 U21.12 | length 17.5
  Bottom Layer w0.254: U18.9@2.375,-26.369 16.381,-26.369 16.764,-25.986 U21.12@16.764,-23
DRIVE_45: U18.10 U21.13 | length 20.6
  Bottom Layer w0.254: U18.10@2.375,-27.019 18.731,-27.019 19.304,-26.446 U21.13@19.304,-23
DRIVE_46: U18.11 U21.14 | length 23.8
  Bottom Layer w0.254: U18.11@2.375,-27.669 21.331,-27.669 21.844,-27.156 U21.14@21.844,-23
DRIVE_47: U18.12 U21.15 | length 27.1
  Bottom Layer w0.254: U18.12@2.375,-28.319 23.931,-28.319 24.384,-27.866 U21.15@24.384,-23
DRIVE_48: U18.13 U21.16 | length 30.1
  Bottom Layer w0.254: U18.13@2.375,-28.969 26.281,-28.969 26.924,-28.326 U21.16@26.924,-23
DRIVE_49: U16.10 U18.16 | length 27.6
  Bottom Layer w0.254: U16.10@-26.924,-23 -26.924,-28.326 -26.281,-28.969 U18.16@-4.875,-28.969
DRIVE_50: U16.11 U18.17 | length 24.6
  Bottom Layer w0.254: U16.11@-24.384,-23 -24.384,-27.866 -23.931,-28.319 U18.17@-4.875,-28.319
DRIVE_51: U16.12 U18.18 | length 21.3
  Bottom Layer w0.254: U16.12@-21.844,-23 -21.844,-27.156 -21.331,-27.669 U18.18@-4.875,-27.669
DRIVE_52: U16.13 U18.19 | length 18.1
  Bottom Layer w0.254: U16.13@-19.304,-23 -19.304,-26.446 -18.731,-27.019 U18.19@-4.875,-27.019
DRIVE_53: U16.14 U18.20 | length 15
  Bottom Layer w0.254: U16.14@-16.764,-23 -16.764,-25.986 -16.381,-26.369 U18.20@-4.875,-26.369
DRIVE_54: U16.15 U18.21 | length 11.8
  Bottom Layer w0.254: U16.15@-14.224,-23 -14.224,-25.276 -13.781,-25.719 U18.21@-4.875,-25.719
DRIVE_55: U16.16 U18.22 | length 8.7
  Bottom Layer w0.254: U16.16@-11.684,-23 -11.684,-24.816 -11.431,-25.069 U18.22@-4.875,-25.069
DRIVE_56: U9.7 U11.13 | length 11.2
  Bottom Layer w0.254: U11.13@-101.625,25.069 -92.569,25.069 -92.316,24.816 U9.7@-92.316,23
DRIVE_57: U9.6 U11.12 | length 14.3
  Bottom Layer w0.254: U11.12@-101.625,25.719 -90.219,25.719 -89.776,25.276 U9.6@-89.776,23
DRIVE_58: U9.5 U11.11 | length 17.5
  Bottom Layer w0.254: U11.11@-101.625,26.369 -87.619,26.369 -87.236,25.986 U9.5@-87.236,23
DRIVE_59: U9.4 U11.10 | length 20.6
  Bottom Layer w0.254: U11.10@-101.625,27.019 -85.269,27.019 -84.696,26.446 U9.4@-84.696,23
DRIVE_60: U9.3 U11.9 | length 23.8
  Bottom Layer w0.254: U11.9@-101.625,27.669 -82.669,27.669 -82.156,27.156 U9.3@-82.156,23
DRIVE_61: U9.2 U11.8 | length 27.1
  Bottom Layer w0.254: U11.8@-101.625,28.319 -80.069,28.319 -79.616,27.866 U9.2@-79.616,23
DRIVE_62: U9.1 U11.7 | length 30.1
  Bottom Layer w0.254: U11.7@-101.625,28.969 -77.719,28.969 -77.076,28.326 U9.1@-77.076,23
DRIVE_63: U11.22 U14.7 | length 27.6
  Bottom Layer w0.254: U14.7@-130.924,23 -130.924,28.326 -130.281,28.969 U11.22@-108.875,28.969
DRIVE_64: U11.21 U14.6 | length 24.6
  Bottom Layer w0.254: U14.6@-128.384,23 -128.384,27.866 -127.931,28.319 U11.21@-108.875,28.319
DRIVE_65: U11.20 U14.5 | length 21.3
  Bottom Layer w0.254: U14.5@-125.844,23 -125.844,27.156 -125.331,27.669 U11.20@-108.875,27.669
DRIVE_66: U11.19 U14.4 | length 18.1
  Bottom Layer w0.254: U14.4@-123.304,23 -123.304,26.446 -122.731,27.019 U11.19@-108.875,27.019
DRIVE_67: U11.18 U14.3 | length 15
  Bottom Layer w0.254: U14.3@-120.764,23 -120.764,25.986 -120.381,26.369 U11.18@-108.875,26.369
DRIVE_68: U11.17 U14.2 | length 11.8
  Bottom Layer w0.254: U14.2@-118.224,23 -118.224,25.276 -117.781,25.719 U11.17@-108.875,25.719
DRIVE_69: U11.16 U14.1 | length 8.7
  Bottom Layer w0.254: U14.1@-115.684,23 -115.684,24.816 -115.431,25.069 U11.16@-108.875,25.069
DRIVE_70: U19.7 U22.10 | length 11.2
  Bottom Layer w0.254: U19.7@-101.625,-25.069 -92.569,-25.069 -92.316,-24.816 U22.10@-92.316,-23
DRIVE_71: U19.8 U22.11 | length 14.3
  Bottom Layer w0.254: U19.8@-101.625,-25.719 -90.219,-25.719 -89.776,-25.276 U22.11@-89.776,-23
DRIVE_72: U19.9 U22.12 | length 17.5
  Bottom Layer w0.254: U19.9@-101.625,-26.369 -87.619,-26.369 -87.236,-25.986 U22.12@-87.236,-23
DRIVE_73: U19.10 U22.13 | length 20.6
  Bottom Layer w0.254: U19.10@-101.625,-27.019 -85.269,-27.019 -84.696,-26.446 U22.13@-84.696,-23
DRIVE_74: U19.11 U22.14 | length 23.8
  Bottom Layer w0.254: U19.11@-101.625,-27.669 -82.669,-27.669 -82.156,-27.156 U22.14@-82.156,-23
DRIVE_75: U19.12 U22.15 | length 27.1
  Bottom Layer w0.254: U19.12@-101.625,-28.319 -80.069,-28.319 -79.616,-27.866 U22.15@-79.616,-23
DRIVE_76: U19.13 U22.16 | length 30.1
  Bottom Layer w0.254: U19.13@-101.625,-28.969 -77.719,-28.969 -77.076,-28.326 U22.16@-77.076,-23
DRIVE_77: U17.10 U19.16 | length 27.6
  Bottom Layer w0.254: U17.10@-130.924,-23 -130.924,-28.326 -130.281,-28.969 U19.16@-108.875,-28.969
DRIVE_78: U17.11 U19.17 | length 24.6
  Bottom Layer w0.254: U17.11@-128.384,-23 -128.384,-27.866 -127.931,-28.319 U19.17@-108.875,-28.319
DRIVE_79: U17.12 U19.18 | length 21.3
  Bottom Layer w0.254: U17.12@-125.844,-23 -125.844,-27.156 -125.331,-27.669 U19.18@-108.875,-27.669
DRIVE_80: U17.13 U19.19 | length 18.1
  Bottom Layer w0.254: U17.13@-123.304,-23 -123.304,-26.446 -122.731,-27.019 U19.19@-108.875,-27.019
DRIVE_81: U17.14 U19.20 | length 15
  Bottom Layer w0.254: U17.14@-120.764,-23 -120.764,-25.986 -120.381,-26.369 U19.20@-108.875,-26.369
DRIVE_82: U17.15 U19.21 | length 11.8
  Bottom Layer w0.254: U17.15@-118.224,-23 -118.224,-25.276 -117.781,-25.719 U19.21@-108.875,-25.719
DRIVE_83: U17.16 U19.22 | length 8.7
  Bottom Layer w0.254: U17.16@-115.684,-23 -115.684,-24.816 -115.431,-25.069 U19.22@-108.875,-25.069
ESP32-RX: R10.2 R11.2 U28.34 | length 23.7
  Top Layer w0.381: U28.34@-74.93,11.43 -72.39,8.89 -62.865,8.89 -61.912,9.842 v1(-56.515,9.842)
  Bottom Layer w0.381: R10.2@-56.515,7.935 v1(-56.515,9.842) R11.2@-56.515,11.75
ESP32-TX: U28.35 U29.4 | length 29.4
  Top Layer w0.381: U28.35@-72.39,11.43 -70.485,9.525 -63.246,9.525 -62.039,10.731 v1(-52.705,10.731)
  Bottom Layer w0.381: U29.4@-52.705,2.35 v1(-52.705,10.731)
ESP-485-EN: U28.37 U29.2 U29.3 | length 26.5
  Top Layer w0.381: U28.37@-67.31,11.43 -66.04,10.16 -63.5,10.16 -62.23,11.43 v1(-53.975,11.43)
  Bottom Layer w0.381: U29.2@-55.245,2.35 -55.245,3.81 -54.61,4.445 -53.975,4.445 ; U29.3@-53.975,2.35 -53.975,4.445 ; v1(-53.975,11.43) -53.975,4.445
ESP_LED_0: R8.2 U28.17 | length 23.5
  Top Layer w0.381: v1(-121.285,-3.175) -121.285,-7.62 -120.015,-8.89 -107.95,-8.89 U28.17@-105.41,-11.43
  Bottom Layer w0.381: R8.2@-122.875,-3.175 v1(-121.285,-3.175)
ESP_LED_1: R9.2 U28.18 | length 15.7
  Top Layer w0.381: v1(-121.285,-9.525) -109.855,-9.525 U28.18@-107.95,-11.43
  Bottom Layer w0.381: R9.2@-122.875,-9.525 v1(-121.285,-9.525)